# Altium PCB PCB_HydroPore.PcbDoc (part 2 of 2) (continued)
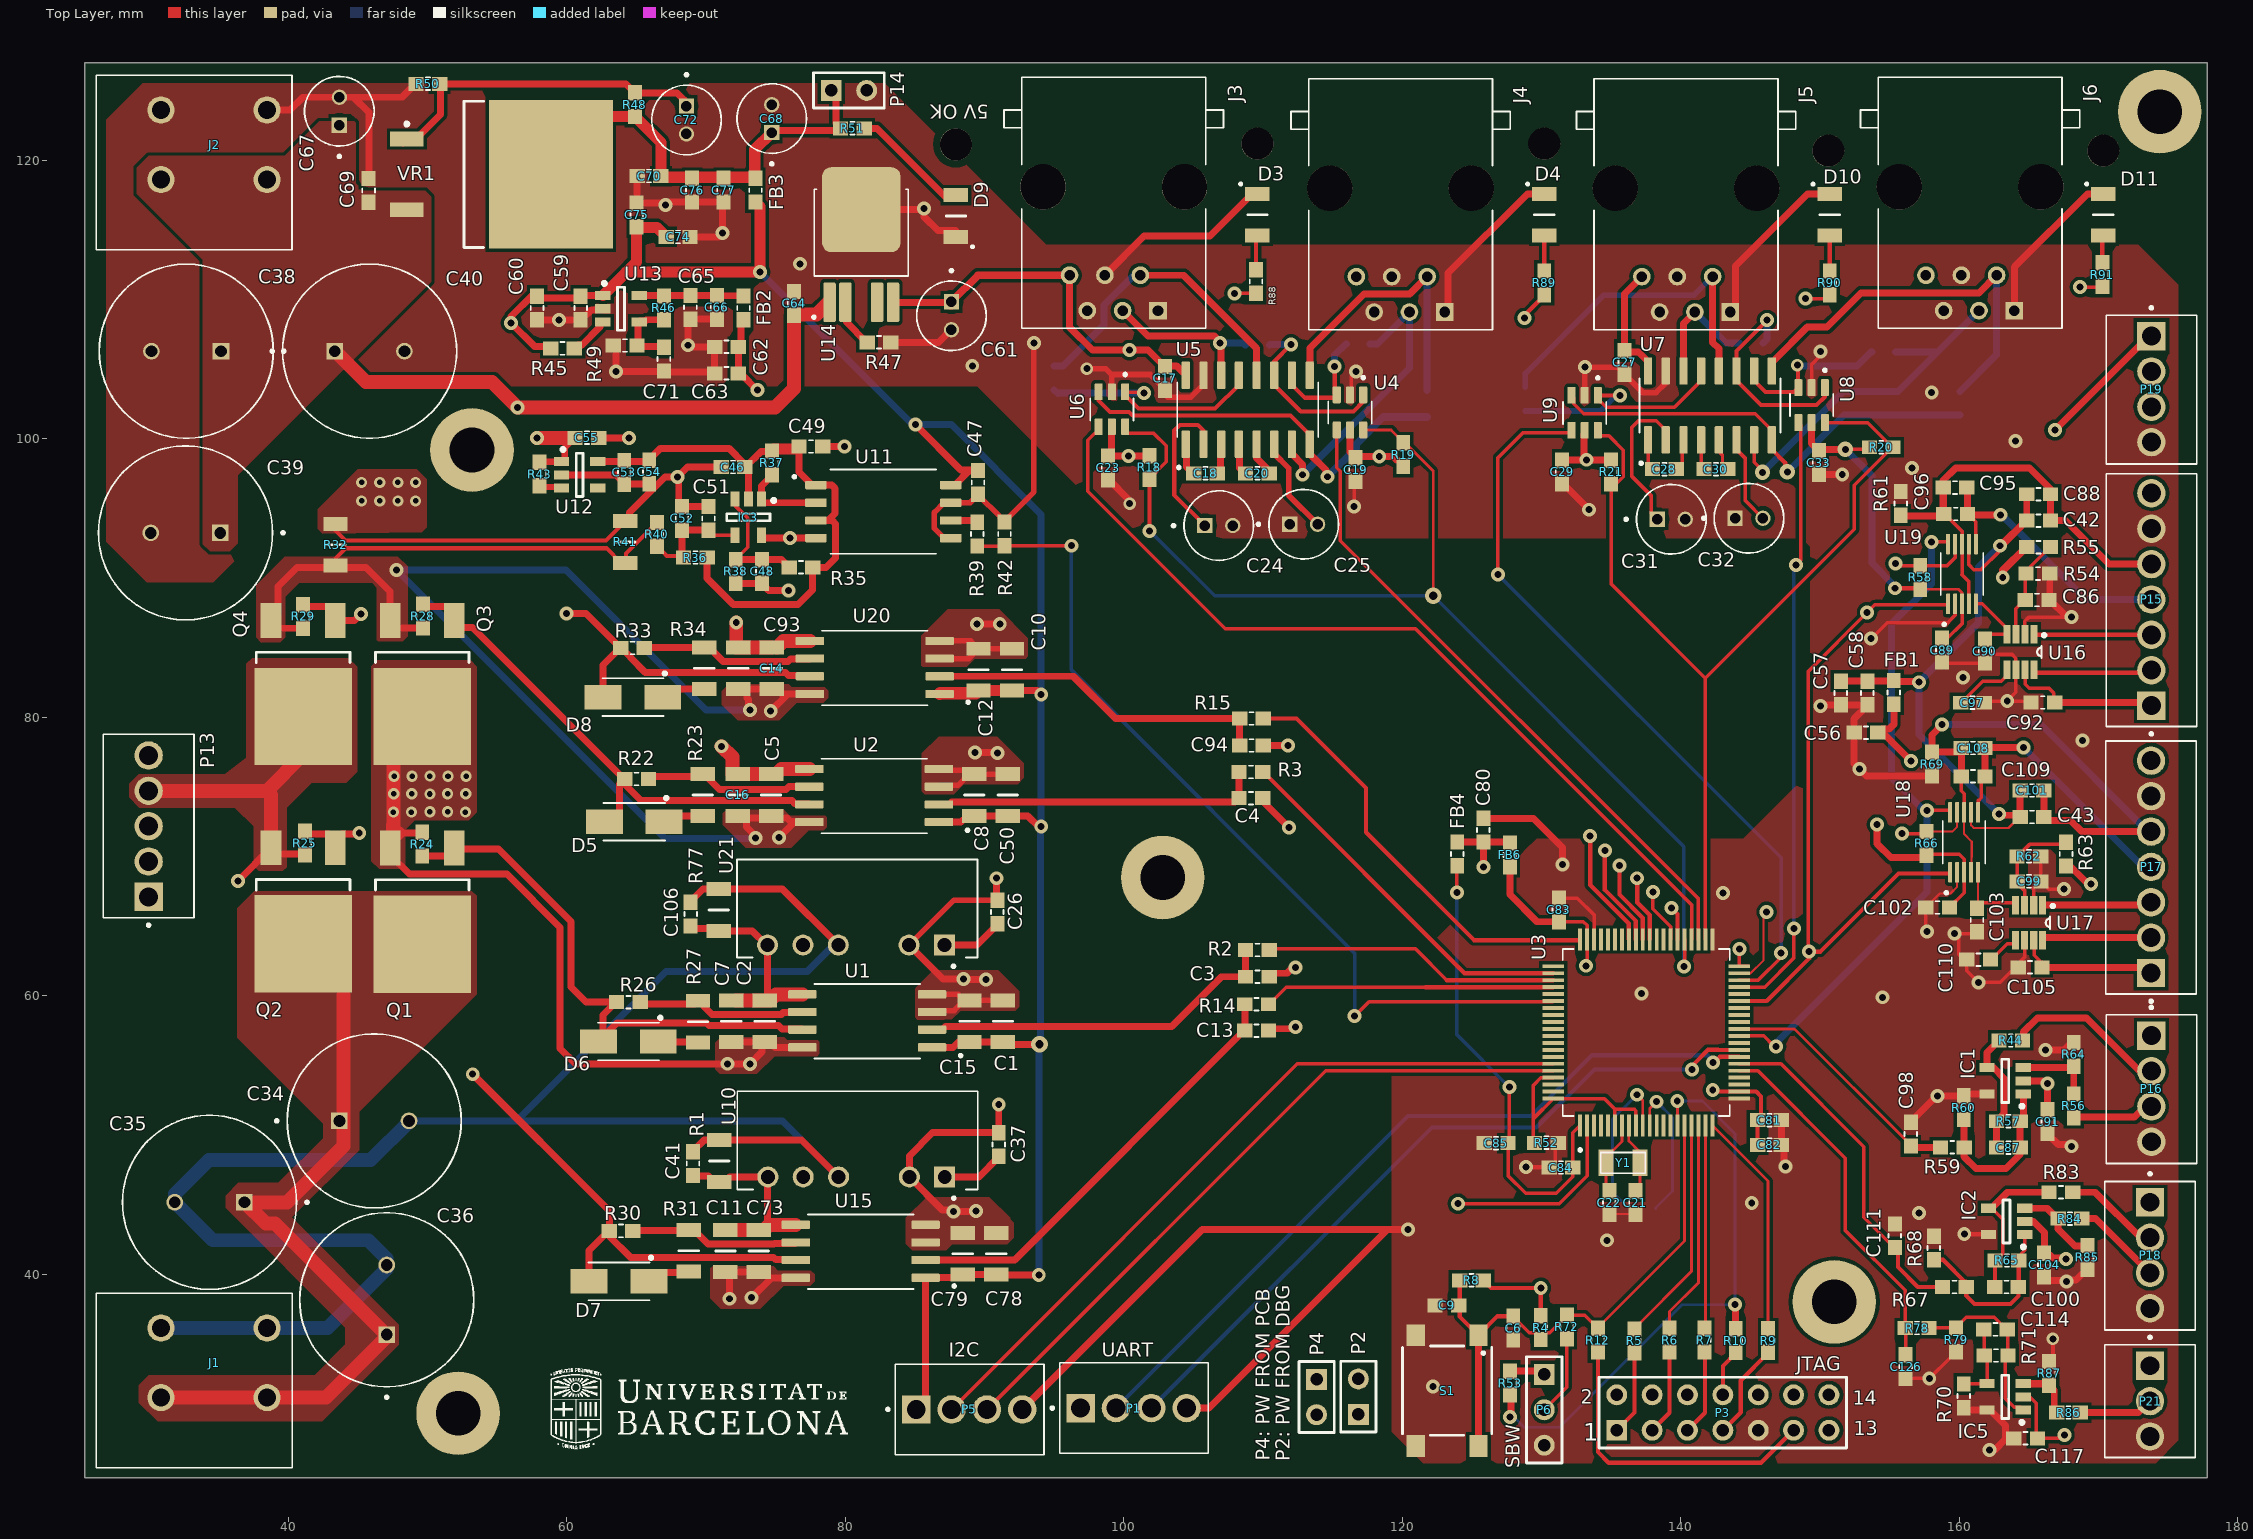
[diagram p0: Top Layer view]
## Nets (pads, with @x,y where several pads share a name; then routed paths per layer and width w, separated by ;. In a path a pad name is that pad's centre, name@x,y a point inside that pad or via, vN(x,y) a via of type N, cw(c..) or ccw(c..) an arc to the next point about the centre after c; other vN are vias at no path point) (continued)
  Top Layer w0.5: R38.1@72.139,91.328 C48.2@74.039,91.328 75.422,91.328 R35.2@75.975,90.775
NetC51_2: C51.2 C52.2 IC3.4 R36.2 R40.2 | length 8.1
  Top Layer w0.25: C51.2@70.186,93.443 70.551,93.078 IC3.4@72.089,93.078
  Top Layer w0.3: R40.2@66.475,92.3 67.189,91.586 R36.2@68.281,91.586
  Top Layer w0.5: R36.2@68.389,91.478 68.281,91.586 C52.2@68.281,93.443 C51.2@70.186,93.443
NetC65_2: C65.2 C66.2 FB2.1 R46.2 U13.5 | length 7.5
  Top Layer w0.5: U13.5@65.199,110.294 65.203,110.298 70.783,110.298 C66.2@70.787,110.302 70.811,110.279 72.668,110.279 FB2.1@72.692,110.255
NetC71_2: C71.2 R46.1 R49.2 U13.4 | length 5.6
  Top Layer w0.5: C71.2@66.977,106.572 66.913,106.636 65.114,106.636 R49.2@65.05,106.7 65.125,106.774 65.125,108.319 U13.4@65.199,108.394 65.274,108.469 65.641,108.469 65.727,108.555 R46.1@66.977,108.555
NetC72_P: C72.P R48.1 R50.2 VR1.1 | length 24.4
  Top Layer w0.5: VR1.1@48.239,121.264 VR1.1@48.514,121.539 49.189,121.539 50.95,123.3 R50.2@50.95,125.5 ; R50.2@50.875,125.5 R50.2@50.95,125.5 ; C72.P@68.834,123.936 67.92,124.85 R48.1@64.9,124.85 64.25,125.5 R50.2@50.95,125.5
NetC81_2: C81.2 C82.2 C83.2 FB6.2 U3.22 U3.59 | length 32.3
  Top Layer w0.25: C83.2@131.25,65.325 133.01,65.325 133.275,65.06 U3.59@133.275,64.055 133.275,62.25 v1(133.188,62.162)
  Top Layer w0.3: v1(142.3,53.25) 142.415,53.135 144.195,53.135 U3.22@144.205,53.125 145.425,53.125 145.775,52.775 145.775,51.325 C81.2@145.525,51.075 C82.2@145.525,49.3
  Top Layer w0.5: FB6.2@127.725,69.275 127.725,67.275 129.675,65.325 C83.2@131.25,65.325
  Int2(PWR) w0.3: v1(133.188,62.162) 133.188,60.638 140.575,53.25 v1(142.3,53.25)
NetC84_2: C84.2 C85.2 FB4.2 U3.1 | length 33.4
  Top Layer w0.25: v1(123.925,67.425) 123.925,69.325 FB4.2@123.95,69.35 ; v1(127.7,53.45) 127.7,49.525 C85.2@127.6,49.425 127.6,47.096 128.871,45.825 131.05,45.825 132.25,47.025 C84.2@132.25,47.675 132.25,50.17 U3.1@132.775,50.695
  Bottom Layer w0.25: v1(123.925,67.425) 123.925,57.225 v1(127.7,53.45)
NetC86_1: C86.1 R54.1 R55.2 U16.3 | length 7.3
  Top Layer w0.25: U16.3@164.07,85.97 164.07,87.795 164.7,88.425 C86.1@164.75,88.425 164.75,90.275 R54.1@164.8,90.325 164.8,90.525 166.5,92.225 R55.2@166.55,92.225
NetC87_1: C87.1 IC1.1 R57.1 R59.2 R60.2 | length 11.9
  Top Layer w0.5: R60.2@160.325,51.125 160.35,51.1 R59.2@160.35,49.125 160.35,48.45 161.2,47.6 163.35,47.6 164.375,48.625 C87.1@164.375,49.1 R57.1@164.375,51 164.6,51.225 IC1.1@164.6,52.95
NetC87_2: C87.2 IC1.4 R44.1 R57.2 | length 9.1
  Top Layer w0.25: IC1.4@162,54.85 IC1.4@162.45,54.85
  Top Layer w0.5: IC1.4@162,54.85 162,55.95 R44.1@162.85,56.8 ; IC1.4@162.45,54.85 163.225,54.075 163.225,51.55 R57.2@162.675,51 C87.2@162.675,49.1
NetC90_2: C90.2 U16.4 U19.5 | length 5.1
  Top Layer w0.25: U19.5@161.219,88.15 161.661,88.15 163.435,86.376 U16.4@163.435,85.97 162.22,85.97 C90.2@161.85,85.6
NetC94_1: C94.1 R15.1 U20.2 | length 24.8
  Top Layer w0.5: U20.2@86.822,82.998 U20.2@86.777,82.953 96.377,82.953 99.405,79.925 R15.1@108.325,79.925 C94.1@108.325,77.975
NetC97_2: C97.2 U16.5 | length 4.6
  Top Layer w0.25: C97.2@160.1,81.05 160.15,81.05 161.7,82.6 163.011,82.6 163.435,83.024 U16.5@163.435,83.43
NetC99_1: C99.1 R62.1 R63.2 U17.3 | length 7.6
  Top Layer w0.15: R62.1@164.15,70.025 R62.1@164.2,70.025
  Top Layer w0.25: C99.1@163.967,68.286 164.081,68.172 164.72,67.534 U17.3@164.72,66.82 ; R62.1@164.15,70.025 164.15,68.241 C99.1@164.167,68.223 ; R62.1@164.2,70.025 165.05,70.875 R63.2@167.8,70.875
NetC100_1: C100.1 IC2.1 R65.1 R67.2 R68.2 | length 12.7
  Top Layer w0.25: R65.1@163.925,41 163.975,41 164.7,41.725 IC2.1@164.7,42.85
  Top Layer w0.3: R68.2@158.4,41.05 158.825,41.05 R67.2@160.5,39.375 ; R67.2@160.5,39.1 160.5,38.475 161.1,37.875 163.675,37.875 164.25,38.45 C100.1@164.25,39.1 164.275,39.125 R65.1@164.275,41
  Top Layer w0.5: R67.2@160.5,39.1 R67.2@160.5,39.375
NetC100_2: C100.2 IC2.4 R65.2 R83.1 | length 11.1
  Top Layer w0.25: IC2.4@162.1,44.75 162.325,44.75 163.125,43.95 163.125,41.5 162.625,41 R65.2@162.575,41
  Top Layer w0.3: C100.2@162.55,39.1 162.575,39.125 R65.2@162.575,41
  Top Layer w0.5: IC2.4@162.325,44.75 163.475,45.9 R83.1@166.45,45.9
NetC103_2: C103.2 U17.4 U18.5 | length 5.4
  Top Layer w0.15: C103.2@161.35,66.3 U18.5@161.35,68.875
  Top Layer w0.25: C103.2@161.438,66.388 161.725,66.675 163.956,66.675 164.085,66.804 U17.4@164.085,66.82
NetC110_2: C110.2 U17.5 | length 2.8
  Top Layer w0.25: C110.2@162.25,62.6 162.3,62.6 163.445,63.745 163.956,63.745 164.085,63.874 U17.5@164.085,64.28
NetC114_1: C114.1 IC5.1 R71.1 R78.2 R79.2 | length 13.1
  Top Layer w0.25: R78.2@157.825,36.15 157.85,36.175 159.75,36.175 R79.2@159.775,36.15 159.775,36.2 160.504,36.929 162.521,36.929 163.4,36.05 C114.1@163.45,36.05 163.5,36 R71.1@163.5,34.175 163.3,33.975 163.3,31.089 163.939,30.45 164.4,30.45 IC5.1@164.6,30.25
NetC114_2: C114.2 IC5.4 R70.1 R71.2 | length 5.7
  Top Layer w0.25: R70.1@160.325,32.125 160.35,32.15 IC5.4@162,32.15 162,33.975 R71.2@161.8,34.175 161.8,36 C114.2@161.75,36.05
NetD3_1: D3.1 R88.2 | length 2.5
  Top Layer w0.3: R88.2@109.5,112.15 109.5,114.5 D3.1@109.6,114.6
NetD4_1: D4.1 R89.2 | length 2.5
  Top Layer w0.3: R89.2@130.2,112.05 D4.1@130.2,114.6
NetD5_1: D5.1 Q3.1 R22.2 R28.2 U2.7 | length 38.1
  Top Layer w0.5: R28.2@49.675,88.125 49.837,87.963 51.425,87.963 51.925,87.463 Q3.1@51.925,86.963 51.925,86.463 53.237,86.463 R22.2@64.125,75.575 ; D5.1@62.7,72.503 63.15,72.503 63.775,73.128 63.775,75.225 R22.2@64.125,75.575 ; R22.2@64.15,75.228 65.35,74.028 76.175,74.028 76.405,73.798 77.375,73.798 U2.7@77.42,73.753 ; R22.2@64.175,75.575 R22.2@64.125,75.575
NetD5_2: D5.2 R23.2 | length 3
  Top Layer w0.5: D5.2@67,72.503 67.45,72.503 67.875,72.928 R23.2@69.775,72.928
NetD6_1: D6.1 Q1.1 R24.2 R26.2 U1.7 | length 39.6
  Top Layer w0.5: R24.2@49.625,70.05 51.425,70.05 51.925,70.55 Q1.1@51.925,70.625 ; Q1.1@52.175,70.375 52.35,70.55 55.1,70.55 60.3,65.35 60.3,60.65 61.4,59.55 R26.2@63.525,59.55 ; D6.1@62.275,56.725 D6.1@62.6,57.05 ; R26.2@63.575,59.55 R26.2@63.525,59.55 ; U1.7@76.925,57.575 76.88,57.62 75.468,57.62 75.213,57.875 70.226,57.875 70.051,58.05 63.6,58.05 D6.1@62.6,57.05 ; D6.1@62.6,57.05 62.6,58.625 R26.2@63.525,59.55
NetD6_2: D6.2 R27.2 | length 2.8
  Top Layer w0.5: D6.2@66.575,56.725 66.625,56.675 R27.2@69.325,56.675
NetD7_1: D7.1 Q2.1 R25.2 R30.2 U15.7 | length 59.7
  Top Layer w0.5: R25.2@41.2,71.825 41.387,71.638 42.875,71.638 Q2.1@43.375,71.138 ; Q2.1@43.375,70.638 Q2.1@43.375,71.138 ; v1(45.1,71.7) 45.038,71.638 43.875,71.638 Q2.1@43.375,71.138 ; v1(53.25,54.375) 63.075,44.55 63.075,43.2 R30.2@63,43.125 ; D7.1@61.6,39.5 61.6,41.725 R30.2@63,43.125 ; U15.7@76.442,41.008 76.397,41.053 75.015,41.053 74.864,41.204 64.596,41.204 63.05,42.75 R30.2@63.05,43.125 R30.2@63,43.125
  Int1 (GND) w0.5: v1(45.1,71.7) 45.1,62.525 v1(53.25,54.375)
NetD7_2: D7.2 R31.2 | length 3.2
  Top Layer w0.5: D7.2@65.9,39.5 66.525,40.125 68.688,40.125 R31.2@68.763,40.2
NetD8_1: D8.1 Q4.1 R29.2 R33.2 U20.7 | length 43.3
  Top Layer w0.5: R29.2@41.075,88.1 41.212,87.963 42.875,87.963 43.375,87.463 Q4.1@43.375,86.963 44.763,86.963 v1(45.225,87.425) ; v1(59.975,87.475) 61.378,87.475 R33.2@63.875,84.978 ; D8.1@62.6,81.453 62.6,83.753 63.825,84.978 R33.2@63.875,84.978 ; U20.7@77.467,82.953 77.422,82.998 75.94,82.998 75.71,83.228 65.639,83.228 64.575,84.292 64.575,84.328 63.925,84.978 R33.2@63.875,84.978
  Int1 (GND) w0.5: v1(45.225,87.425) 59.925,87.425 v1(59.975,87.475)
NetD8_2: D8.2 R34.2 | length 3.2
  Top Layer w0.5: D8.2@66.9,81.453 67.475,82.028 69.499,82.028 R34.2@69.737,81.79
NetD9_1: D9.1 R51.1 | length 8.6
  Top Layer w0.5: R51.1@81.367,122.301 82.267,122.301 87.157,117.411 87.436,117.411 87.525,117.5 D9.1@87.95,117.5
NetD10_1: D10.1 R90.2 | length 2.5
  Top Layer w0.3: R90.2@150.7,112.05 D10.1@150.7,114.6
NetD11_1: D11.1 R91.2 | length 2
  Top Layer w0.3: D11.1@170.175,114.6 170.275,114.5 R91.2@170.275,112.65
NetIC1_3: IC1.3 R56.1 R64.1 | length 5.7
  Top Layer w0.25: R64.1@168.125,54.85 R64.1@168.225,54.95
  Top Layer w0.5: IC1.3@164.6,54.85 R64.1@168.125,54.85 ; R56.1@168.225,52.95 R64.1@168.225,54.95
NetIC2_3: IC2.3 R84.1 R85.1 | length 5.9
  Top Layer w0.5: IC2.3@164.7,44.75 166.3,44.75 R84.1@167.075,43.975 ; R84.1@167.1,44 167.1,43.275 168.325,42.05 R85.1@169.1,42.05
NetIC3_1: IC3.1 R37.1 U11.2 | length 6.1
  Top Layer w0.5: R37.1@74.739,97.428 74.739,97.378 73.989,96.628 IC3.1@73.989,95.678 73.989,95.613 74.189,95.413 U11.2@77.899,95.413
NetIC5_3: IC5.3 R86.1 R87.1 | length 4.1
  Top Layer w0.25: R87.1@166.35,32.15 R87.1@166.45,32.05
  Top Layer w0.5: R87.1@166.45,32.05 166.825,31.675 166.825,30.25 R86.1@166.975,30.1
  Top Layer w0.55: IC5.3@164.6,32.15 R87.1@166.35,32.15
NetP2_1: P2.1 P3.2 | length 19.3
  Int2(PWR) w0.3: P2.1@116.85,29.95 125.076,29.95 126.676,31.55 135.205,31.55 P3.2@135.405,31.35
NetP3_1: P3.1 R5.1 | length 6.1
  Top Layer w0.3: P3.1@135.405,28.81 136.675,30.08 R5.1@136.675,34.375
NetP3_3: P3.3 R6.1 | length 6.1
  Top Layer w0.3: P3.3@137.945,28.81 139.2,30.065 R6.1@139.2,34.425
NetP3_4: P3.4 P4.2 | length 26.4
  Int2(PWR) w0.3: P4.2@113.85,29.925 115.925,27.85 128.275,27.85 129.47,29.045 131.43,29.045 131.43,29.055 132.495,30.12 136.715,30.12 P3.4@137.945,31.35
NetP3_5: P3.5 R7.1 | length 6.2
  Top Layer w0.3: P3.5@140.485,28.81 141.739,30.064 141.739,34.386 R7.1@141.7,34.425
NetP3_7: P3.7 R9.1 | length 6.9
  Top Layer w0.3: P3.7@143.025,28.81 144.311,30.096 144.311,32.386 146.275,34.35 R9.1@146.275,34.4
NetP3_8: P3.8 R10.2 | length 3.4
  Top Layer w0.3: P3.8@143.025,31.35 143.025,33.425 143.95,34.35 R10.2@143.95,34.4
NetP3_11: P3.11 R12.1 | length 22.5
  Top Layer w0.3: R12.1@134.05,34.425 134.05,27.25 134.825,26.475 145.77,26.475 P3.11@148.105,28.81
NetP6_1: P6.1 R53.1 | length 2.5
  Top Layer w0.5: R53.1@127.75,33.05 129.965,33.05 P6.1@130.2,32.815
NetP6_2: P6.2 R72.1 | length 5.8
  Top Layer w0.25: P6.2@130.2,30.275 131.825,31.9 R72.1@131.825,35.375
NetP15_2: P15.2 U16.8 | length 8.6
  Top Layer w0.3: U16.8@165.365,83.43 165.595,83.2 173.565,83.2 P15.2@173.75,83.385
NetP15_3: P15.3 U16.1 | length 8.5
  Top Layer w0.3: U16.1@165.365,85.97 165.405,85.93 P15.3@173.8,85.93
NetP16_2: P16.2 R44.2 | length 11.8
  Top Layer w0.5: R44.2@164.6,56.8 164.6,57.4 165.625,58.425 169.125,58.425 172.95,54.6 P16.2@173.8,54.6
NetP16_3: P16.3 R56.2 | length 5.9
  Top Layer w0.5: R56.2@168.225,51.25 168.225,51.3 172.6,51.3 173.36,52.06 P16.3@173.8,52.06
NetP17_2: P17.2 U17.8 | length 7.9
  Top Layer w0.25: U17.8@165.986,63.982 165.986,64.056 U17.8@166.115,64.185
  Top Layer w0.5: U17.8@166.115,64.185 P17.2@173.775,64.185
NetP17_3: P17.3 U17.1 | length 7.8
  Top Layer w0.5: U17.1@166.055,66.522 173.572,66.522 P17.3@173.775,66.725
NetP18_2: P18.2 R83.2 | length 6.9
  Top Layer w0.5: R83.2@168.15,45.9 169.75,45.9 172.977,42.673 173.667,42.673 P18.2@173.7,42.64
NetP18_3: P18.3 R84.2 | length 6.5
  Top Layer w0.5: R84.2@168.8,44 169.8,44 P18.3@173.7,40.1
NetP21_2: P21.2 R86.2 | length 5.3
  Top Layer w0.5: R86.2@168.7,30.075 172.875,30.075 P21.2@173.7,30.9
NetR22_1: R22.1 R23.1 U2.6 | length 12.2
  Top Layer w0.5: R22.1@65.875,75.575 66.051,75.751 69.699,75.751 69.875,75.928 70.975,74.828 75.763,74.828 75.958,75.023 U2.6@77.42,75.023
NetR26_1: R26.1 R27.1 U1.6 | length 12.3
  Top Layer w0.5: R26.1@65.275,59.55 65.4,59.425 69.175,59.425 69.425,59.675 70.429,58.671 75.409,58.671 75.538,58.8 76.88,58.8 U1.6@76.925,58.845
NetR30_1: R30.1 R31.1 U15.6 | length 12.2
  Top Layer w0.5: R30.1@64.75,43.125 64.787,43.162 68.726,43.162 R31.1@68.763,43.2 69.138,43.2 70.159,42.179 74.881,42.179 74.935,42.233 76.397,42.233 U15.6@76.442,42.278
NetR33_1: R33.1 R34.1 U20.6 | length 12.4
  Top Layer w0.5: R33.1@65.575,84.978 65.6,85.003 69.85,85.003 R34.1@69.875,85.028 70.235,85.028 71.239,84.024 75.906,84.024 76.06,84.178 77.422,84.178 U20.6@77.467,84.223
NetR39_2: R39.2 U11.6 | length 2
  Top Layer w0.5: U11.6@87.579,94.143 89.345,94.143 R39.2@89.483,94.005
NetR43_1: R43.1 U12.3 | length 1.6
  Top Layer w0.46: R43.1@58.05,96.625 58.131,96.544 59.548,96.544 U12.3@59.629,96.462
NetR45_1: R45.1 U13.3 | length 3
  Top Layer w0.5: R45.1@60.55,106.5 60.8,106.75 61.093,106.75 62.374,108.031 62.374,108.394 U13.3@62.599,108.394
NetR47_2: R47.2 U14.2 | length 3.5
  Top Layer w0.5: U14.2@80.077,109.809 80.077,108.38 81.523,106.934 R47.2@81.573,106.934
NetR52_1: R52.1 U3.6 U3.9 U3.77 U3.80 | length 16.4
  Top Layer w0.25: R52.1@129.5,49.45 129.425,49.45 129.425,51.195 ; U3.77@130.845,54.125 130.83,54.11 129.95,54.11 129.425,53.585 129.425,51.195 ; U3.6@135.275,50.695 135.275,51.875 ; U3.9@136.775,50.695 136.775,51.75 136.65,51.875 135.275,51.875 ; 129.425,51.195 130.85,52.62 U3.80@130.845,52.625 134.525,52.625 135.275,51.875
OV: R39.1 R42.1 U3.66 | length 63.7
  Top Layer w0.25: R39.1@89.483,92.305 91.416,92.305 R42.1@91.439,92.328 v1(96.247,92.328) ; v1(116.575,58.55) 117.615,59.59 130.81,59.59 U3.66@130.845,59.625
  Bottom Layer w0.25: v1(96.247,92.328) 96.247,83.403 116.575,63.075 v1(116.575,58.55)
PWM_A: R2.2 U3.63 | length 21.4
  Top Layer w0.25: R2.2@110.45,63.3 110.525,63.375 120.95,63.375 123.2,61.125
  Top Layer w0.3: 123.2,61.125 U3.63@130.845,61.125
PWM_C: R14.2 U3.64 | length 21
  Top Layer w0.25: R14.2@110.4,59.4 110.45,59.4 111.675,60.625 121.675,60.625
  Top Layer w0.3: 121.675,60.625 U3.64@130.845,60.625
R5Vdc: C68.P C70.2 C76.2 C77.2 FB3.1 P14.1 R48.2 R51.2 VR1.2 | length 31
  Top Layer w0.5: C70.2@66.763,118.872 C70.2@66.846,118.789 ; C68.P@74.725,122 74.875,122.15 79.516,122.15 R51.2@79.667,122.301 79.327,122.641 P14.1@79.327,124.841
  Top Layer w0.8: VR1.2@58.864,118.999 63.015,123.15 R48.2@64.9,123.15 66.763,121.287 C70.2@66.763,118.872 ; C70.2@66.846,118.789 73.501,118.789 73.501,120.776 C68.P@74.725,122
SEL_CAM12: R18.2 R19.2 U3.45 U4.6 U6.6 | length 83.7
  Top Layer w0.15: R19.2@120.075,99.725 R19.2@120.2,99.725
  Top Layer w0.2: U4.6@117.2,100.645 119.205,100.645 120.075,99.775 R19.2@120.075,99.725 ; R19.2@120.2,99.725 122.225,97.7 v5(122.225,88.725)
  Top Layer w0.25: U6.6@100.225,100.795 100.225,100.553 100.39,100.388 102.162,100.388 103.05,99.5 103.05,98.35 101.85,97.15 R18.2@101.85,97.1 ; v1(140.225,62.1) 140.275,62.15 U3.45@140.275,64.055
  Top Layer w0.3: v1(101.85,93.4) R18.2@101.85,97.1
  Bottom Layer w0.25: v1(101.85,93.4) 106.525,88.725 v5(122.225,88.725) 140.225,70.725 v1(140.225,62.1)
SEL_CAM34: R20.2 R21.2 U3.42 U8.6 U9.6 | length 68.9
  Top Layer w0.25: U9.6@134.05,100.62 134.05,100.378 134.215,100.213 134.848,100.213 135.879,99.182 135.879,97.279 135.375,96.775 R21.2@135,96.775 135,89.575 141.775,82.8 ; U3.42@141.775,64.055 141.775,82.8 ; U8.6@150.35,101.17 153.43,101.17 R20.2@155.2,99.4 ; R20.2@155.25,99.4 R20.2@155.2,99.4 ; 141.775,82.8 152.475,93.5 152.475,96.675 R20.2@155.2,99.4
TCK: R9.2 U3.20 | length 16.3
  Top Layer w0.2: U3.20@142.275,50.695 146.275,46.695 R9.2@146.275,36.1
TDI: R6.2 U3.18 | length 15.4
  Top Layer w0.2: R6.2@139.2,36.125 139.2,37.325 141.275,39.4 U3.18@141.275,50.695
TDO: R5.2 U3.17 | length 16.3
  Top Layer w0.2: R5.2@136.675,36.075 136.675,36.125 140.775,40.225 U3.17@140.775,50.695
TEST/SBWTCK: R10.1 R53.2 U3.15 | length 42.6
  Top Layer w0.2: U3.15@139.775,50.695 v1@139.775,52.425
  Top Layer w0.5: v1(127.75,29.75) 127.8,29.8 127.8,31.3 R53.2@127.75,31.35 ; v1(139.75,52.45) v1@139.775,52.425 ; v1(143.9,37.825) 143.925,37.8 143.925,36.125 R10.1@143.95,36.1
  Bottom Layer w0.2: v1(127.75,29.75) 128.025,29.75 128.754,29.021 131.303,29.021 140.107,37.825 v1(143.9,37.825) 143.9,50.1 141.55,52.45 v1(139.75,52.45)
TMS: R7.2 U3.19 | length 14.6
  Top Layer w0.2: R7.2@141.7,36.125 141.775,36.2 U3.19@141.775,50.695
TRIGGER_US: P19.2 U3.47 | length 61.1
  Top Layer w0.25: v1(138,67.475) 138,66.25 139.275,64.975 U3.47@139.275,64.055
  Int2(PWR) w0.3: v1(138,67.475) 138,77.425 165.415,104.84 P19.2@173.8,104.84
UART1_RX: U3.38 U9.4 | length 54.1
  Top Layer w0.25: v1(126.875,90.25) 126.875,98.65 128.65,100.425 131.985,100.425 132.15,100.59 U9.4@132.15,100.62 ; U3.38@144.205,61.125 144.22,61.14 145.565,61.14 147.207,62.782 v1(147.207,63.078)
  Bottom Layer w0.25: v1(126.875,90.25) 147.207,69.918 v1(147.207,63.078)
UART1_TX: U3.37 U8.4 | length 43.5
  Top Layer w0.25: U3.37@144.205,60.625 146.025,60.625 148.132,62.732 v1(148.132,64.828) ; v1(148.275,90.95) 148.625,91.3 148.625,100.995 U8.4@148.45,101.17
  Bottom Layer w0.25: v1(148.132,64.828) 148.132,90.807 v1(148.275,90.95)
UART2_RX: U3.44 U6.4 | length 63.1
  Top Layer w0.25: U6.4@98.325,100.795 97.425,99.895 97.425,96.25 107.3,86.375 120.95,86.375 140.775,66.55 U3.44@140.775,64.055
UART2_TX: U3.43 U4.4 | length 47.3
  Top Layer w0.25: U4.4@115.3,100.645 115.3,97.924 115.56,97.665 115.56,92.69 141.244,67.006 141.244,64.086 U3.43@141.275,64.055
UART_RX_COM: P1.3 U3.28 | length 53
  Top Layer w0.3: v1(140.8,54.725) 140.8,54.978 141.951,56.129 142.699,56.129 142.703,56.125 U3.28@144.205,56.125
  Bottom Layer w0.3: P1.3@101.98,30.4 122.13,50.55 129.625,50.55 133.8,54.725 v1(140.8,54.725)
UART_TX_COM: P1.2 U3.27 | length 55.7
  Top Layer w0.3: v1(142.325,55.225) 142.409,55.225 142.809,55.625 U3.27@144.205,55.625
  Bottom Layer w0.3: P1.2@99.44,30.4 120.415,51.375 129.259,51.375 133.619,55.735 141.931,55.735 142.325,55.341 v1(142.325,55.225)
Vcc_HDriverA: C2.1 C7.1 C106.2 R77.2 U1.5 U21.6 | length 15.4
  Top Layer w0.5: C106.2@68.9,65.025 69.075,64.85 70.75,64.85 R77.2@70.925,64.675 73.323,64.675 74.348,63.65 U21.6@74.425,63.65 74.425,59.875 C2.1@74.225,59.675 ; C7.1@72.175,59.675 C7.1@72.425,59.925
  Top Layer w1: C7.1@72.175,59.675 C2.1@74.225,59.675 74.6,59.675 75.04,60.115 U1.5@76.925,60.115
Vcc_HDriverC: C11.1 C41.2 C73.1 R1.2 U10.6 U15.5 | length 14.2
  Top Layer w0.5: C41.2@69.075,47.1 69.075,47.05 70.175,47.05 70.575,46.65 R1.2@70.95,46.65 71.325,46.65 71.675,47 U10.6@74.445,47 74.422,46.977 74.422,43.433 74.172,43.183 C11.1@73.797,43.183
  Top Layer w1: C73.1@71.713,43.183 C11.1@73.797,43.183 ; C11.1@74.422,43.433 74.537,43.548 U15.5@76.442,43.548
pads on no net: J3. J4. J5. J6. P3.6 P3.10 P3.12 P3.13 P3.14 U3.3 U3.4 U3.5 U3.12 U3.13 U3.14 U3.23 U3.24 U3.29 U3.32 U3.33 U3.34 U3.36 U3.48 U3.49 U3.54 U3.55 U3.56 U3.57 U3.61 U3.65 U3.67 U3.68 U3.69 U3.70 U3.71 U3.72 U3.73 U3.74 U3.78 U3.79 U10.5 U12.4 U14.4 U21.5

## Polygon pours and split planes (outlines as drawn)
GND on Top Layer "Top Layer-GND 2" (solid, remove dead copper, pour order 155): 175.725,111.075 172.85,113.95 94.425,113.95 82.825,125.55 29.55,125.55 26.925,122.925 26.925,92.625 29.85,89.7 34.6,89.7 48.675,103.775 89.475,103.775 100.4,92.85 148.7,92.85 149.3,92.25 149.3,76.1 144.5,71.3 129.65,71.3 119.25,60.9 119.25,28.7 121.5,26.45 174.1,26.45 175.725,28.075
12Vdc on Top Layer "Top Layer-12Vdc" (solid, remove dead copper, pour order 167): 36.325,66.3 36.325,57 43.375,49.95 53.525,60.1 53.525,67.175 53.175,67.525 37.55,67.525
BRIDGE_SENSE on Top Layer "Top Layer-BRIDGE_SENSE" (solid, remove dead copper, pour order 169): 39.425,85.4 39.775,85.75 39.775,88.65 40.8,89.675 46.025,89.675 46.375,89.325 46.375,85.55 46.45,85.475 48.225,85.475 48.575,85.825 48.575,90.85 47.875,91.55 39.75,91.55 37.7,89.5 37.7,85.75 38.075,85.375
GND on Top Layer "Top Layer-GND" (solid, remove dead copper, pour order 193): 85.475,83.725 85.45,83.7 85.5,83.65 88.725,83.65 89.3,84.225 92.95,84.225 93.125,84.4 93.125,85.7 91.075,87.75 87.375,87.75 85.475,85.85
GND on Top Layer "Top Layer-GND 1" (solid, remove dead copper, pour order 189): 85.5,74.7 85.725,74.475 87.8,74.475 88.525,75.2 92.375,75.2 92.825,75.65 92.825,76.7 90.9,78.625 86.7,78.625 85.5,77.425
GND on Top Layer "Top Layer-GND 3" (solid, remove dead copper, pour order 187): 85.025,60.675 85.025,58.45 85.175,58.3 87.65,58.3 88.3,58.95 92.225,58.95 92.5,59.225 92.5,60.325 91,61.825 86.325,61.825 85,60.5 85,60.325
GND on Top Layer "Top Layer-GND 4" (solid, remove dead copper, pour order 185): 84.35,42.2 84.8,41.75 87.25,41.75 87.675,42.175 91.65,42.175 92.1,42.625 92.1,43.7 91.85,43.95 91.85,44.05 90.35,45.55 85.85,45.55 84.35,44.05
BRIDGE_SENSE on Top Layer "Top Layer-BRIDGE_SENSE 1" (solid, remove dead copper, pour order 183): 75.95,82.375 76.175,82.15 78.525,82.15 78.775,81.9 78.775,81.4 78.425,81.05 76.525,81.05 75.275,79.8 72.275,79.8 71.15,80.925 71.15,81.875 71.65,82.375
BRIDGE_SENSE on Top Layer "Top Layer-BRIDGE_SENSE 2" (solid, remove dead copper, pour order 181): 71.25,73.375 75.575,73.375 76.025,72.925 78.575,72.925 78.675,72.825 78.675,72.125 78.45,71.9 77.375,71.9 76.125,70.65 72.85,70.65 71.2,72.3 71.2,73.1 71.5,73.4
Actuator- on Top Layer "Top Layer-Actuator- 1" (solid, remove dead copper, pour order 179): 70.325,38.275 71.075,37.525 73.9,37.525 75.575,39.2 77.475,39.2 77.8,39.525 77.8,40 77.525,40.275 75.15,40.275 74.825,40.6 70.475,40.6 70.325,40.45
Actuator+ on Top Layer "Top Layer-Actuator+ 1" (solid, remove dead copper, pour order 177): 75.625,57.025 75.825,56.825 78.025,56.825 78.15,56.7 78.15,55.85 77.975,55.675 75.55,55.675 74.925,55.675 73.65,54.4 71,54.4 70.675,54.725 70.675,56.65 71.05,57.025
GND* on Top Layer "Top Layer-GND* 1" (solid, remove dead copper, pour order 171): 49.596,93.296 49.95,93.65 49.95,97.1 49.225,97.825 45,97.825 42.125,94.95 42.125,93.55 42.472,93.203
12Vdc on Top Layer "Top Layer-12Vdc 1" (solid, remove dead copper, pour order 165): 29.275,30.8 30.625,29.45 42.45,29.45 47.95,34.95 47.95,36.4 40.262,44.087 45.1,48.925 45.1,55.325 44.1,56.325 43,56.325 42.5,55.825 42.5,49.775 39.3,46.575 36.425,46.575 35.5,45.65 35.5,44.775 44.1,36.175 44.1,34.975 41.9,32.775 39.175,32.775 30,32.775 29.275,32.05
Actuator+ on Top Layer "Top Layer-Actuator+" (solid, remove dead copper, pour order 161): 45.975,83.663 46.4,84.088 53.1,84.088 53.55,83.638 53.55,73.2 52.975,72.625 49.1,72.625 48.4,71.925 48.4,69.4 48.125,69.125 46.525,69.125 45.975,69.675
Actuator- on Top Layer "Top Layer-Actuator-" (solid, remove dead copper, pour order 159): 36.175,73.525 37.525,72.175 37.525,69.325 37.875,68.975 39.625,68.975 39.9,69.25 39.9,73.525 41.688,75.313 44.175,75.313 44.95,76.088 44.95,83.638 44.325,84.263 37.425,84.263 37,83.838 37,77.087 35.45,75.925 29.275,75.925 28.575,75.225 28.575,74.25 29.3,73.525 34.263,73.525
15Vdc on Top Layer "Top Layer-15Vdc" (solid, pour order 122): 50.275,117.375 49.825,117.825 45.375,117.825 44.85,118.35 44.85,122.8 42.225,122.8 39.75,120.325 29.975,120.325 29.125,119.475 29.125,117.6 33.875,112.85 33.875,92.45 34.4,91.925 35.8,91.925 36.375,92.5 36.375,97.4 50.275,111.3
15Vdc on Top Layer "Top Layer-15Vdc 1" (solid, pour order 114): 29.2,125.5
15Vdc on Top Layer "Top Layer-15Vdc 2" (solid, pour order 106): 42.3,112.1
no net on Top Layer "Top Layer-No Net 11" (solid, pour order 96): 40.137,119.037
no net on Top Layer "Top Layer-No Net 7" (solid, pour order 56): 76.85,84.328
no net on Top Layer "Top Layer-No Net 8" (solid, pour order 52): 77.55,86.828
no net on Top Layer "Top Layer-No Net 9" (solid, pour order 50): 77.95,86.828
no net on Top Layer "Top Layer-No Net 10" (solid, pour order 42): 75.45,84.128
no net on Top Layer "Top Layer-No Net" (solid, pour order 38): 48.7,35.9
no net on Top Layer "Top Layer-No Net 1" (solid, pour order 34): 22.4,112.3
no net on Top Layer "Top Layer-No Net 2" (solid, pour order 22): 57,43.9
no net on Top Layer "Top Layer-No Net 3" (solid, pour order 18): 36.2,60.8
no net on Top Layer "Top Layer-No Net 5" (solid, pour order 12): 20.9,113
no net on Top Layer "Top Layer-No Net 6" (solid, pour order 10): 18.1,112.4
GND on Bottom Layer "Bottom Layer-GND 2" (solid, remove dead copper, pour order 151): 175.725,110.975 172.775,113.925 167.625,113.95 94.4,113.95 82.875,125.475 39.925,125.475 39.9,125.55 29.55,125.55 26.9,122.9 26.9,94.75 26.945,92.555 29.8,89.7 34.6,89.7 48.675,103.775 89.8,103.775 100.775,92.8 148.8,92.8 149.275,92.325 149.275,91.675 149.275,76.025 144.525,71.275 130.05,71.275 119.3,60.525 119.3,28.7 121.55,26.45 157.975,26.45 174.1,26.45 175.725,28.075
GND* on Bottom Layer "Bottom Layer-GND*" (solid, remove dead copper, pour order 175): 45.376,41.413 45.719,41.069 45.719,40.744 42.3,37.325 29.932,37.325 29.144,36.537 29.144,35.737 30.194,34.687 43.037,34.687 48.594,40.244 48.594,41.569 46.676,43.487 34.976,43.487 33.419,45.044 33.419,45.819 34.694,47.094 46.215,47.094 49.744,50.706 49.744,54.494 44.069,60.169 44.069,94.896 42.445,94.896 41.494,93.945 41.494,59.694 47.769,53.419 47.769,51.519 45.619,49.369 33.201,49.369 29.994,46.162 29.994,44.837 33.419,41.413
GND* on Bottom Layer "Bottom Layer-GND* 2" (solid, remove dead copper, pour order 173): 44.275,92.75 49.1,92.75 49.975,93.625 49.975,97.05 49.275,97.75 44.525,97.75 41.475,94.7 41.475,93.15 41.906,92.719
no net on Bottom Layer "Bottom Layer-No Net" (solid, pour order 76): 76.425,115.675
no net on Bottom Solder (solid): 86.3,42.025
GND on Int2(PWR) "Int2(PWR)-GND" (solid, remove dead copper, pour order 157): 29.55,125.55 26.925,122.925 26.925,92.625 29.85,89.7 34.6,89.7 49.025,104.125 89.35,104.125 100.625,92.85 148.2,92.85 149.3,91.75 149.3,76.1 144.5,71.3 129.65,71.3 119.25,60.9 119.25,28.75 121.55,26.45 173.942,26.45 175.725,28.233 175.725,113.95 94.425,113.95 82.825,125.55
no net on Int2(PWR) "Int2(PWR)-No Net" (solid, pour order 86): 29.2,33.2
GND on Int1 (GND) "Int1 (GND)-GND 1" (solid, remove dead copper, pour order 153): 175.725,111.075 172.9,113.9 169.025,113.95 94.425,113.95 82.863,125.512 39.912,125.512 39.9,125.55 29.55,125.55 26.9,122.9 26.9,94.65 26.925,92.625 29.85,89.7 34.6,89.7 48.675,103.775 89.575,103.775 100.5,92.85 148.75,92.85 149.3,92.3 149.3,76.1 144.5,71.3 129.65,71.3 119.25,60.9 119.25,28.725 121.525,26.45 174.1,26.45 175.725,28.075
Actuator+ on Int1 (GND) "Int1 (GND)-Actuator+" (solid, remove dead copper, pour order 163): 37.599,70.975 39.237,72.613 53.15,72.613 53.65,73.113 53.65,76.038 53.1,76.588 38.557,76.588 35.584,73.45 29.35,73.45 28.775,72.875 28.775,71.6 29.4,70.975

## Other copper
Int1 (GND):
  pour cut-out: 63.85,59.825

## Silkscreen, mask and mechanical layers (free items; w line width, h text height)
Top Overlay:
  drawing of 84 lines, arcs and shapes, not listed
  text "5V OK" at 90.3,124 h1 r180
  text "I2C" at 87.425,34.1 h1
  text "UART" at 98.425,34.075 h1
  text "JTAG" at 148.3,33.075 h1
  text "P4: PW FROM PCB" at 110.472,26.6 h1 r90
  text "P2: PW FROM DBG" at 111.922,26.575 h1 r90
  text "SBW" at 128.45,26.075 h1 r90
Bottom Overlay:
  text "GND" at 36.2,123.15 h1
  text "15Vdc" at 36.925,118.2 h1
  text "+5Vdc" at 172.3,106.825 h1
  text "TRIGGER" at 172.475,104.375 h1
  text "ECHO" at 172.275,101.825 h1
  text "GND" at 172.225,99.275 h1
  text "EARTH" at 172.325,95.575 h1
  text "GND" at 172.3,93 h1
  text "SENSE-" at 172.325,90.45 h1
  text "SENSE+" at 172.425,88 h1
  text "IN+" at 172.275,85.375 h1
  text "IN-" at 172.275,82.825 h1
  text "+5Vdc" at 172.325,80.4 h1
  text "EARTH" at 172.425,76.425 h1
  text "GND" at 172.5,73.875 h1
  text "SENSE-" at 172.475,71.35 h1
  text "SENSE+" at 172.45,68.725 h1
  text "IN-" at 172.375,66.225 h1
  text "IN+" at 172.325,63.7 h1
  text "+5Vdc" at 172.4,61.225 h1
  text "+15Vdc" at 172.5,56.625 h1
  text "IN-" at 172.375,54.125 h1
  text "IN+" at 172.375,51.575 h1
  text "GND" at 172.4,48.975 h1
  text "+15Vdc" at 172.4,44.65 h1
  text "IN-" at 172.275,42.125 h1
  text "IN+" at 172.325,39.625 h1
  text "GND" at 172.375,37.075 h1
  text "+5Vdc" at 85.55,36.475 h1 r90
  text "GND*" at 36.525,35.675 h1
  text "GND" at 105.075,34.6 h1 r90
  text "3V3" at 97.3,34.575 h1 r90
  text "SDA" at 90.7,34.5 h1 r90
  text "GND" at 93.2,34.375 h1 r90
  text "SCL" at 88.125,34.35 h1 r90
  text "TX" at 100,33.525 h1 r90
  text "RX" at 102.575,33.525 h1 r90
  text "+15Vdc" at 172.425,32.875 h1
  text "12Vdc" at 36.95,30.725 h1
  text "IN" at 172.2,30.425 h1
  text "GND" at 172.325,27.825 h1
BOARD OUTLINE:
  the board outline again, w0.2

## Text inside footprints (layer, text, board x,y; h text height)
J1: Mechanical 13 "1" at 34.575,36.553 h1.27 r270
J2: Mechanical 13 "1" at 34.571,124.021 h1.27 r270
J3: Mechanical 13 "PCB EDGE" at 97.373,123.971 h0.5 r270
J4: Mechanical 13 "PCB EDGE" at 117.973,123.871 h0.5 r270
J5: Mechanical 13 "PCB EDGE" at 138.473,123.871 h0.5 r270
J6: Mechanical 13 "PCB EDGE" at 158.873,123.971 h0.5 r270
P3: Top Overlay "2" at 132.825,30.725 h1; Top Overlay "1" at 133,28.05 h1.27; Top Overlay "14" at 152.35,30.65 h1; Top Overlay "13" at 152.425,28.45 h1